# Altium PCB Booster2.PcbDoc
Units mil, origin at the board's own origin, x right, y up, seen from the top; angles counter-clockwise.
Board outline 2325 x 3845 mil, 2 copper layers (Top Layer, Bottom Layer); 62 components, 43 nets, 168 pads, 211 vias.
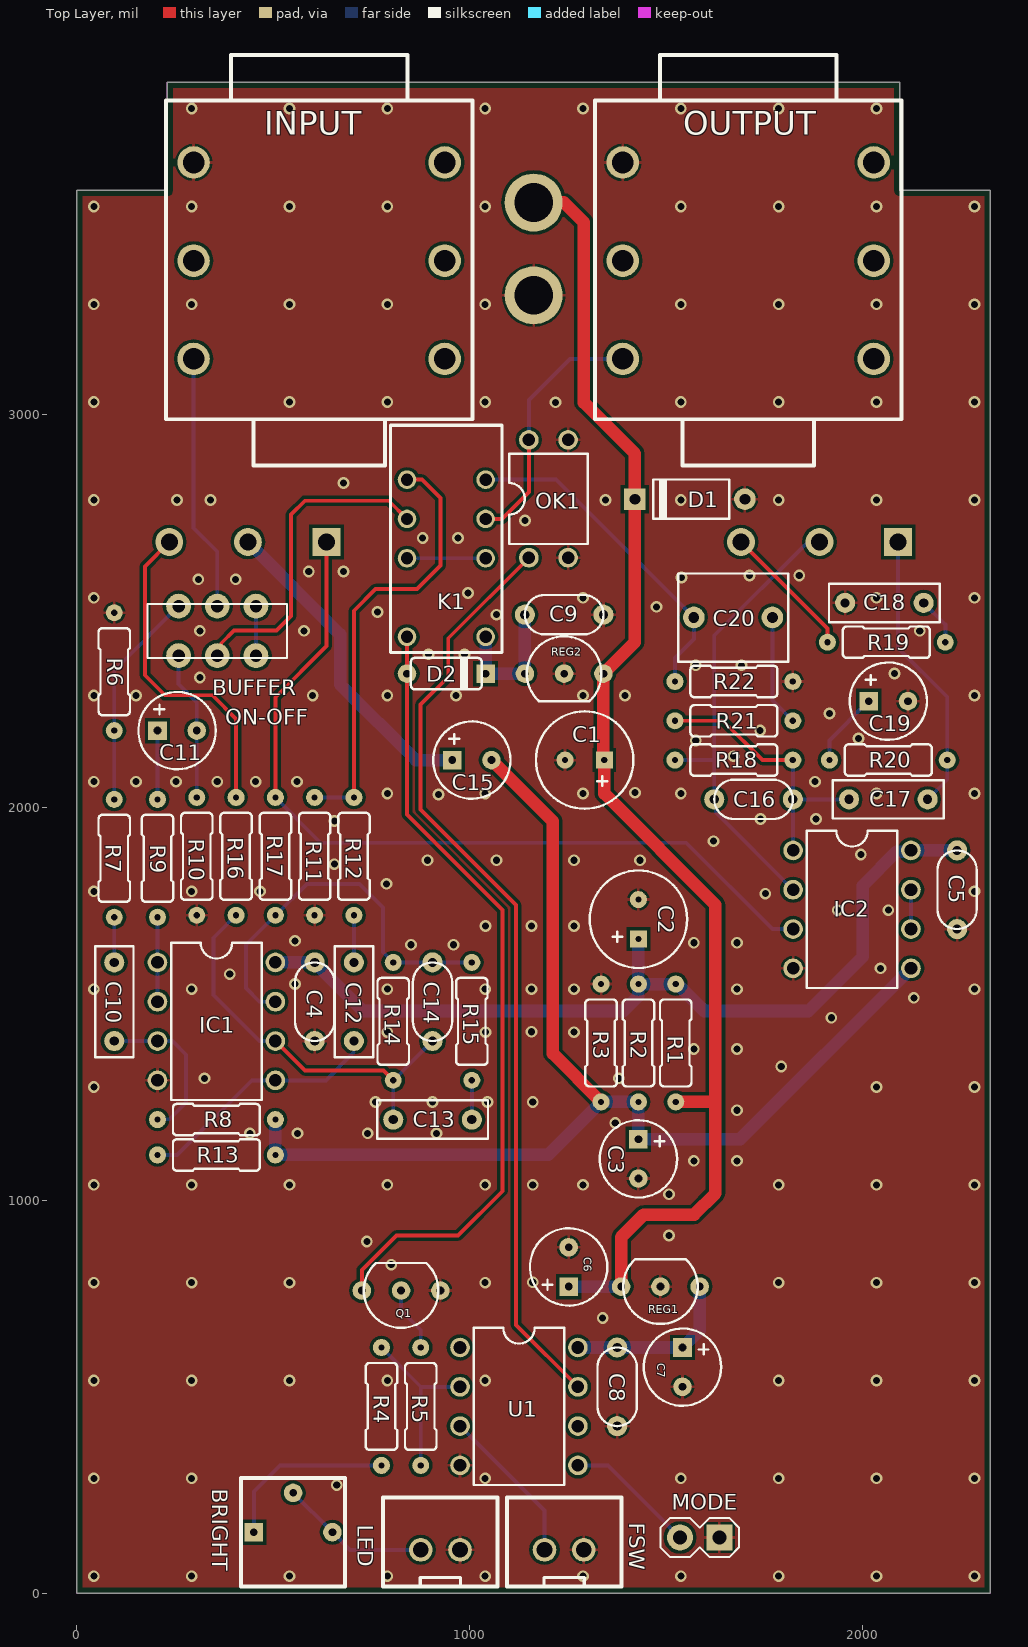
[diagram p0: Top Layer view]
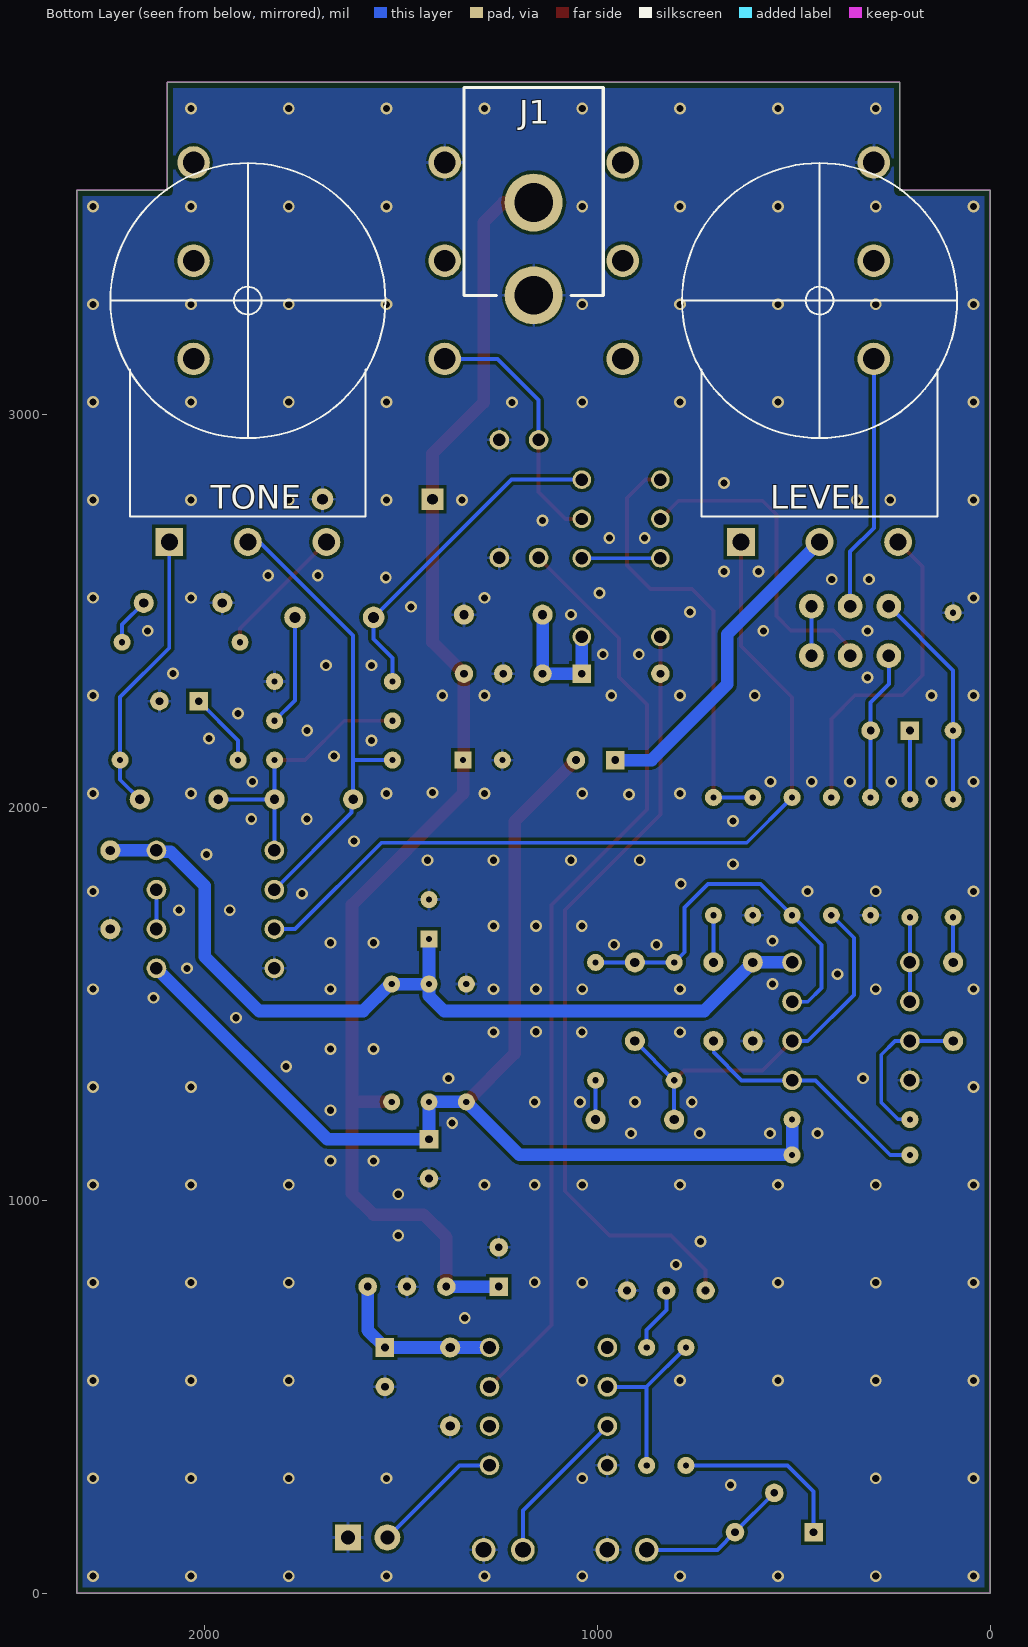
[diagram p1: Bottom Layer view, seen from below]
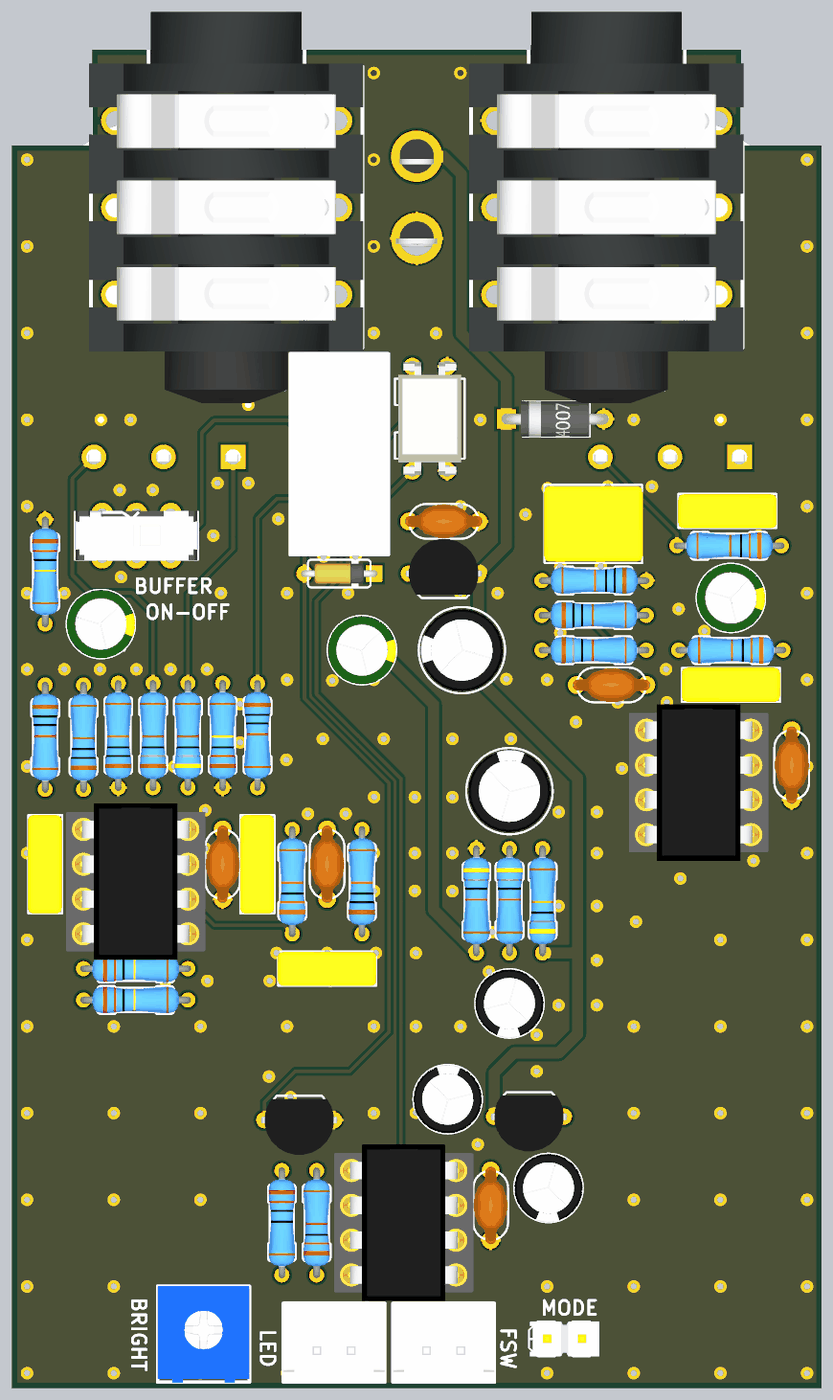
[diagram p2: 3D render of the assembled board from above, using the file's embedded part models]
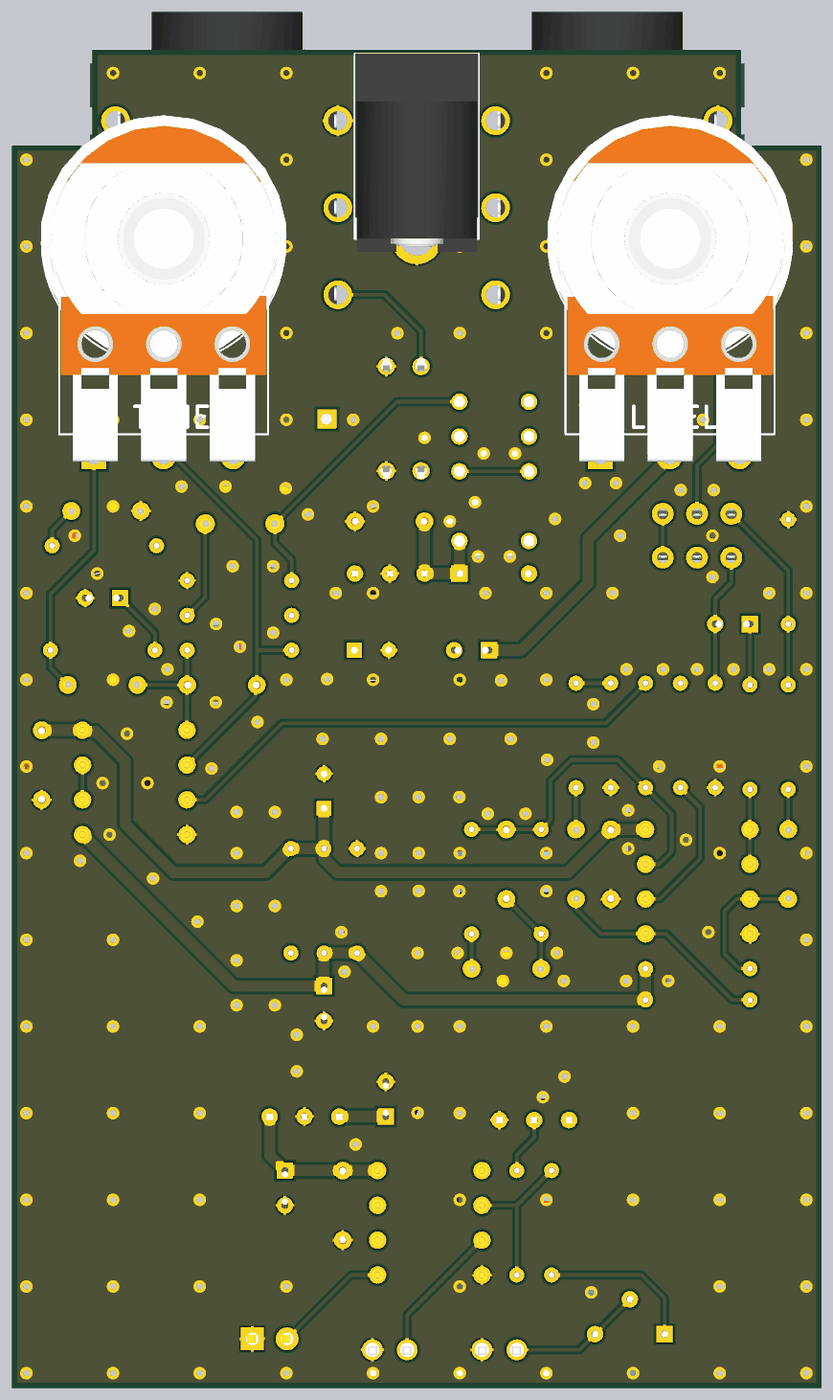
[diagram p3: 3D render of the assembled board from below, using the file's embedded part models]

## Layer stack, top to bottom
Top Solder: solder mask 0.4, Solder Resist, Dk 3.5
Top Layer: signal copper 1.4
Dielectric 1: dielectric 12.6, FR-4, Dk 4.8
Bottom Layer: signal copper 1.4
Bottom Solder: solder mask 0.4, Solder Resist, Dk 3.5

## Board outline
2094.65,3845 2094.65,3570 2325,3570 2325,0 0,0 0,3570 230.3,3570 230.3,3845

## Design rules (kind name [scope] priority, off if disabled: settings)
BoardOutlineClearance BottomOverlay [OnLayer('Bottom Overlay')] p1: gap=0 ignorepadtopadclearanceinfootprint=FALSE
BoardOutlineClearance TopOverlay [OnLayer('Top Overlay')] p2: gap=0 ignorepadtopadclearanceinfootprint=FALSE
BoardOutlineClearance [All] p3: gap=15 ignorepadtopadclearanceinfootprint=FALSE
Clearance [All] p1: gap=8 ignorepadtopadclearanceinfootprint=FALSE except(0: Arc-Text Arc-Hole Track-Text Track-Hole SMDPad-Text SMDPad-Hole THPad-Text THPad-Hole Via-Text Via-Hole Fill-Text Fill-Hole Poly-Text Poly-Hole Region-Text Region-Hole Text-Text Text-Hole)
ComponentClearance [All] p1 off: gap=1 collisioncheckmode=3 verticalgap=1 showdistances=FALSE
DiffPairsRouting [All] p1: maxlimit=393.7 minlimit=6 mostfreqgap=8 toplayer_minwidth=6 toplayer_maxwidth=15 toplayer_prefwidth=8 bottomlayer_minwidth=6 bottomlayer_maxwidth=15 bottomlayer_prefwidth=8 maxuncoupledlength=500
Height [All] p1 off: minheight=0 maxheight=1000 prefheight=500
HoleSize [All] p1: absolutevalues=TRUE maxlimit=265 minlimit=13 maxpercent=80.000 minpercent=20.000
HoleToHoleClearance [All] p1: gap=10 allowstackedmicrovias=FALSE
MinimumAnnularRing [All] p1: minimumring=6
MinimumSolderMaskSliver [All] p1: minsoldermaskwidth=0
PlaneClearance [All] p1: clearance=10
PlaneConnect [All] p1: planeconnectstyle=Direct reliefexpansion=16 reliefentries=4 reliefconductorwidth=6 reliefairgap=6
PolygonConnect Vias [All vs IsVia] p1: connectstyle=Direct reliefconductorwidth=10 reliefentries=4 polygonreliefangle="90 Angle" airgapwidth=10
PolygonConnect [All] p2: connectstyle=Relief reliefconductorwidth=8 reliefentries=4 polygonreliefangle="90 Angle" airgapwidth=6
RoutingCorners [All] p1: cornerstyle=45-Degree minsetback=49.21 maxsetback=49.21
RoutingVias [All] p1: holewidth=15 width=30 viastyle="Through Hole" minholewidth=13 minwidth=27 maxholewidth=100 maxwidth=114
SilkToSilkClearance [All] p1 off: silktosilkclearance=0
SilkToSolderMaskClearance [IsPad] p1 off: minsilkscreentomaskgap=6 clearancetoexposedcopper=TRUE
SolderMaskExpansion [All] p1: expansion=2.95
Width [All] p1: maxlimit=32 minlimit=10 preferedwidth=10
19 further rules are at their usual default settings.

## Components (designator, comment, footprint, x,y, rotation, side; value= is the part's Value field where it differs from the comment)
BRIGHT "10kB" BOURNS_3362P 550,155 r0 top
BUFFER "DPDT" DPDT_SLIDE 180,2380 r0 top
C1 "100u" ELEC_063_025 1292.27,2120 r180 top
C2 "100u" ELEC_063_025 1429,1715 r90 top
C3 "47u" ELEC_050_020 1429,1105 r270 top
C4 "100n" CER_050 605,1505 r270 top
C5 "100n" CER_050 2240,1790 r270 top
C6 "10u" ELEC_050_020 1251.46,830 r90 top
C7 "10u" ELEC_050_020 1541.12,575 r270 top
C8 "100n" CER_050 1375,525 r90 top
C9 "100n" CER_050 1240,2490 r0 top
C10 "100n" FILMBOX_SMALL 95,1505 r90 top
C11 "4.7u" ELEC_LESR_050_020 255,2195 r0 top
C12 "10n" FILMBOX_SMALL 705,1505 r90 top
C13 "22n" FILMBOX_SMALL 905,1205 r180 top
C14 "120p" CER_050 905,1505 r270 top
C15 "10u" ELEC_LESR_050_020 1005,2120 r0 top
C16 "120p" CER_050 1722,2020 r180 top
C17 "100n" FILMBOX_SMALL 2065,2020 r0 top
C18 "22n" FILMBOX_SMALL 2055,2520 r180 top
C19 "10u" ELEC_LESR_050_020 2065,2270 r0 top
C20 "1u" FILMBOX_BIG 1670,2480 r0 top
D1 "D_1N4002" DO41_2 1560,2784 r0 top
D2 "D_1N4148" DO35_2 940,2340 r180 top
FSW "J_JST-XH-02" JST-XH-02 1240,110 r0 top
IC1 "TL072" DIL8 355,1455 r270 top
IC2 "TL072" DIL8 1972.66,1740 r270 top
INPUT "J_STEREO" STEREO 616.41,3391 r90 top
J1 "J_DC_JACK" DC_JACK 1162.5,3722.15 r0 bottom
K1 "K_NA5W-K" NA5 940,2683.66 r90 top
LED "J_JST-XH-02" JST-XH-02 925,110 r0 top
LEVEL "500kB" ALPHA_16mm_BOTTOM 435,2674.37 r180 bottom locked
MODE "J_HEADER_2PINS" HEADER_2PINS 1585,141.45 r0 top
OK1 "OK_TLP222G" DIL4 1200,2785 r0 top
OUTPUT "J_STEREO" STEREO 1708.6,3391 r90 top
Q1 "Q_2N3904" TO92 825,770 r180 top
R1 "47R" R_3_47R_025W 1524,1400 r90 top
R2 "47k" R_3_47k_025W 1429,1400 r270 top
R3 "47k" R_3_47k_025W 1334,1400 r270 top
R4 "220R" R_3_220R_025W 775,475 r270 top
R5 "22k" R_3_22k_025W 875,475 r90 top
R6 "2.2M" R_3_2,2M_025W 95,2345 r270 top
R7 "10k" R_3_10k_025W 95,1870 r270 top
R8 "2.2M" R_3_2,2M_025W 355,1205 r0 top
R9 "1k" R_3_1k_025W 205,1870 r90 top
R10 "100k" R_3_100k_025W 305,1875 r90 top
R11 "2.2M" R_3_2,2M_025W 605,1875 r90 top
R12 "10k" R_3_10k_025W 705,1875 r270 top
R13 "2.2M" R_3_2,2M_025W 355,1115 r0 top
R14 "330k" R_3_330k_025W 805,1455 r90 top
R15 "100k" R_3_100k_025W 1005,1455 r90 top
R16 "18k" R_3_18k_025W 405,1875 r90 top
R17 "47k" R_3_47k_025W 505,1875 r90 top
R18 "18k" R_3_18k_025W 1672,2120 r0 top
R19 "3.3k" R_3_3.3k_025W 2060,2420 r180 top
R20 "3.3k" R_3_3.3k_025W 2065,2120 r180 top
R21 "1k" R_3_1k_025W 1672,2220 r0 top
R22 "100k" R_3_100k_025W 1672,2320 r180 top
REG1 "REG_LM78L05" TO92 1485,780 r180 top
REG2 "REG_LM78L05" TO92 1240,2340 r0 top
TONE "100kB" ALPHA_16mm_BOTTOM 1890,2674.37 r180 bottom locked
U1 "U_ATTINY85" DIP8 1125,475 r270 top

## Footprints (in the part's own frame and the unit in brackets; to place one, negate y for a bottom-side part, rotate by r counter-clockwise, add the part's x,y. Pads: shape width x height; smd on the part's side, far side on the other; paste and mask are expansions set on the pad)
ALPHA_16mm_BOTTOM [mil]
  rect 70.87x70.87 hole 43.31: 1(-200,0.63)
  round 70.87 hole 43.31: 2(0,0.63) 3(200,0.63)
  silkscreen extent -350,66 350,965, body extent -354,-12 445,982, height 1067
BOURNS_3362P [mil]
  rect 47.24x47.24 hole 19.69: 1(-99.75,0)
  round 47.24 hole 19.69: 2(0.25,100) 3(100.25,0)
  silkscreen extent -132,-138 132,138, body extent -132,-139 132,138, height 192
CER_050 [mil]
  round 51.18 hole 23.62: 1(-100,0) 2(100,0)
  silkscreen extent -100,-50 100,50, body extent -117,-49 110,66, height 196
DC_JACK [mil]
  round 147.65 hole 98.43: GND(0,183.15) PWR(0,419.37)
  silkscreen extent -177,-110 177,419, body extent -350,-112 177,458, height 433
DIL4 [mil]
  round 50 hole 32: 1(-50,-150) 2(50,-150) 3(50,150) 4(-50,150)
  silkscreen extent -100,-115 100,115, body extent -90,-173 90,173, height 174
DIL8 [mil]
  round 50 hole 32: 1(-150,-150) 2(-50,-150) 3(50,-150) 4(150,-150) 5(150,150) 6(50,150) 7(-50,150) 8(-150,150)
  silkscreen extent -200,-115 200,115, body extent -225,-200 225,200, height 335
DIP8 [mil]
  round 50 hole 32: 1(-150,-150) 2(-50,-150) 3(50,-150) 4(150,-150) 5(150,150) 6(50,150) 7(-50,150) 8(-150,150)
  silkscreen extent -200,-115 200,115, body extent -225,-200 225,200, height 335
DO35_2 [mil]
  round 47.24 hole 19.69: A(100,0)
  rect 47.24x47.24 hole 19.69: C(-100,0)
  silkscreen extent -90,-40 90,40, body extent -108,-30 108,30, height 60
DO41_2 [mil]
  round 55.12 hole 27.56: A(140,0)
  rect 55.12x55.12 hole 27.56: C(-140,0)
  silkscreen extent -94,-50 100,50, body extent -154,-52 154,52, height 112
DPDT_SLIDE [mm]
  round 1.6 hole 0.8: A1(2,3.35) A2(4.5,3.35) A3(7,3.35) B1(2,0.15) B2(4.5,0.15) B3(7,0.15)
  silkscreen extent 0,0 9,3.5, body extent 0,-0.05 9,3.55, height 5.5
ELEC_050_020 [mil]
  rect 47.24x47.24 hole 19.69: +(-50,0)
  round 47.24 hole 19.69: -(50,0)
  silkscreen extent -98,-98 98,98, body extent -98,-98 98,98, height 277
ELEC_063_025 [mil]
  rect 43.31x43.31 hole 15.75: +(-50,0)
  round 43.31 hole 15.75: -(50,0)
  silkscreen extent -124,-124 124,124, body extent -118,-118 118,118, height 314
ELEC_LESR_050_020 [mil]
  rect 47.24x47.24 hole 19.69: +(-50,0)
  round 47.24 hole 19.69: -(50,0)
  silkscreen extent -98,-98 98,98, body extent -98,-98 98,100, height 434
FILMBOX_BIG [mil]
  round 55.12 hole 27.56: 1(-100,3) 2(100,3)
  silkscreen extent -140,-110 140,115, body extent -142,-105 142,111, height 453
FILMBOX_SMALL [mil]
  round 51.18 hole 23.62: 1(-100,0) 2(100,0)
  silkscreen extent -141,-49 141,49, body extent -142,-48 142,50, height 256
HEADER_2PINS [mil]
  rect 66x66 hole 35.43: 1(50,0)
  round 66 hole 35.43: 2(-50,0)
  silkscreen extent -100,-50 100,50, body extent -102,-50 102,50, height 330
JST-XH-02 [mil]
  round 60 hole 40: 1(-50,0) 2(50,0)
  silkscreen extent -146,-93 146,134, body extent -146,-95 146,131, height 276
NA5 [mil]
  round 47.25 hole 31.5: 1(-250,-100) 3(-50,-100) 4(50,-100) 5(150,-100) 8(150,100) 9(50,100) 10(-50,100) 12(-250,100)
  silkscreen extent -290,-142 289,142, body extent -291,-144 291,144, height 362
R_3_1k_025W [mil]
  round 43.31 hole 15.75: 1(-150,0) 2(150,0)
  silkscreen extent -111,-40 111,40, body extent -160,-38 160,38, height 83
R_3_2,2M_025W [mil]
  round 43.31 hole 15.75: 1(-150,0) 2(150,0)
  silkscreen extent -111,-40 111,40, body extent -160,-38 160,38, height 83
R_3_3.3k_025W [mil]
  round 43.31 hole 15.75: 1(-150,0) 2(150,0)
  silkscreen extent -111,-40 111,40, body extent -160,-38 160,38, height 83
R_3_10k_025W [mil]
  round 43.31 hole 15.75: 1(-150,0) 2(150,0)
  silkscreen extent -111,-40 111,40, body extent -160,-38 160,38, height 83
R_3_18k_025W [mil]
  round 43.31 hole 15.75: 1(-150,0) 2(150,0)
  silkscreen extent -111,-40 111,40, body extent -160,-38 160,38, height 83
R_3_22k_025W [mil]
  round 43.31 hole 15.75: 1(-150,0) 2(150,0)
  silkscreen extent -111,-40 111,40, body extent -160,-38 160,38, height 83
R_3_47k_025W [mil]
  round 43.31 hole 15.75: 1(-150,0) 2(150,0)
  silkscreen extent -111,-40 111,40, body extent -160,-38 160,38, height 83
R_3_47R_025W [mil]
  round 43.31 hole 15.75: 1(-150,0) 2(150,0)
  silkscreen extent -111,-40 111,40, body extent -160,-38 160,38, height 83
R_3_100k_025W [mil]
  round 43.31 hole 15.75: 1(-150,0) 2(150,0)
  silkscreen extent -111,-40 111,40, body extent -160,-38 160,38, height 83
R_3_220R_025W [mil]
  round 43.31 hole 15.75: 1(-150,0) 2(150,0)
  silkscreen extent -111,-40 111,40, body extent -160,-38 160,38, height 83
R_3_330k_025W [mil]
  round 43.31 hole 15.75: 1(-150,0) 2(150,0)
  silkscreen extent -111,-40 111,40, body extent -160,-38 160,38, height 83
STEREO [mil]
  round 82.68 hole 55.12: R(0,319.49) RN(0,-319.49) S(250,319.49) SN(250,-319.49) T(-250,319.49) TN(-250,-319.49)
  silkscreen extent -522,-390 524,390, body extent -562,-392 562,395, height 610
TO92 [mil]
  round 47.24 hole 19.69: 1(100,0) 2(0,0) 3(-100,0)
  silkscreen extent -95,-70 95,95, body extent -109,-61 109,100, height 255

## Part data
BRIGHT: library part TRIM_10kB_3362P, "10k Lin 3362P trimmer", Price=0.1
BUFFER: library part SW_SLIDE_DPDT_ON-ON, "DPDT slide switch ON/ON", Price=0.5
C1 C2: library part C_ELEC_100u_25V, "100u 25V electrolytic capacitor", Package=Radial, Dimensions=6.3x8mm, PinSpacing=2.54mm, Price=0.02
C3: library part C_ELEC_47u_25V, "47u 25V electrolytic capacitor", Package=Radial, Dimensions=5x8mm, PinSpacing=2mm, Price=0.02
C4 C5 C8 C9: library part C_CER_100n, "100n MLCC X7R radial capacitor", Package=Radial, PinSpacing=5.08mm, Price=0.02
C6 C7: library part C_ELEC_10u_50V, "10u 50V electrolytic capacitor", Package=Radial, Dimensions=4x8mm, PinSpacing=2mm, Price=0.02
C10 C17: library part C_FILMBOX_100n, "100n 100V polyester film box capacitor", Package=Radial, Dimensions=7.2x2.5x6.5mm, PinSpacing=5.08mm, Price=0.05
C11: library part C_ELEC_LESR_4.7u_50V, "4.7u 50V Low ESR ectrolytic capacitor", Package=Radial, Dimensions=5x11mm, PinSpacing=2mm, Price=0.05
C12: library part C_FILMBOX_10n, "10n 100V polyester film box capacitor", Package=Radial, Dimensions=7.2x2.5x6.5mm, PinSpacing=5.08mm, Price=0.05
C13 C18: library part C_FILMBOX_22n, "22n 100V polyester film box capacitor", Package=Radial, Dimensions=7.2x2.5x6.5mm, PinSpacing=5.08mm, Price=0.05
C14 C16: library part C_CER_120p, "120p MLCC X7R radial capacitor", Package=Radial, PinSpacing=5.08mm, Price=0.01
C15 C19: library part C_ELEC_LESR_10u_50V, "10u 50V Low ESR ectrolytic capacitor", Package=Radial, Dimensions=5x11mm, PinSpacing=2mm, Price=0.05
C20: library part C_FILMBOX_1u, "1u 100V polyester film box capacitor", Package=Radial, Dimensions=7.2x6x11mm, PinSpacing=5.08mm, Price=0.1
D1: "1N4002", Package=DO-41, PinSpacing=7.62mm, Price=0.01
D2: "1N4148", Package=DO-35, PinSpacing=5.08mm, Price=0.01
FSW LED: "2 Pins male XH header", Price=0.1
IC1 IC2: library part IC_TL072, Package=DIP-8, Price=0.1
INPUT OUTPUT: "6.35mm stereo insulated socket jack PCB mounted", Price=0.5
J1: "DC Power jack 2.1mm barrel", Price=0.05
K1: "NA5W-K", Price=1.1
LEVEL: library part POT_500kB_ALPHA_16mm, "500k Lin potentiometer round shaft", Package="PCB Mounted", Dimensions=16mm, Price=0.5
MODE: "2 Pins male header", Pin spacing=2.54mm, Price=0.01
OK1: "TLP222G", Price=0.36
Q1: "2N3904", Package=TO-92, Price=0.01
R1: library part R_3_47R_025W, "47R metal film 1/4W Resistor", PinSpacing=7.62mm, Price=0.01
R2 R3 R17: library part R_3_47k_025W, "47k metal film 1/4W Resistor", PinSpacing=7.62mm, Price=0.01
R4: library part R_3_220R_025W, "220R metal film 1/4W Resistor", PinSpacing=7.62mm, Price=0.01
R5: library part R_3_22k_025W, "22k metal film 1/4W Resistor", PinSpacing=7.62mm, Price=0.01
R6 R8 R11 R13: library part R_3_2.2M_025W, "2.2M metal film 1/4W Resistor", PinSpacing=7.62mm, Price=0.01
R7 R12: library part R_3_10k_025W, "10k metal film 1/4W Resistor", PinSpacing=7.62mm, Price=0.01
R9 R21: library part R_3_1k_025W, "1k metal film 1/4W Resistor", PinSpacing=7.62mm, Price=0.01
R10 R15 R22: library part R_3_100k_025W, "100k metal film 1/4W Resistor", PinSpacing=7.62mm, Price=0.01
R14: library part R_3_330k_025W, "330k metal film 1/4W Resistor", PinSpacing=7.62mm, Price=0.01
R16 R18: library part R_3_18k_025W, "18k metal film 1/4W Resistor", PinSpacing=7.62mm, Price=0.01
R19 R20: library part R_3_3.3k_025W, "3.3k metal film 1/4W Resistor", PinSpacing=7.62mm, Price=0.01
REG1 REG2: "78L05", Package=TO-92, Price=0.01
TONE: library part POT_100kB_ALPHA_16mm, "100k Lin potentiometer round shaft", Package="PCB Mounted", Dimensions=16mm, Price=0.5
U1: "ATTINY85-20PU", Package=DIP-8, Price=1.2

## Via types
v1: diameter 30, hole 18, Top Layer to Bottom Layer, 211 vias

## Nets (pads, with @x,y where several pads share a name; then routed paths per layer and width w, separated by ;. In a path a pad name is that pad's centre, name@x,y a point inside that pad or via, vN(x,y) a via of type N, cw(c..) or ccw(c..) an arc to the next point about the centre after c; other vN are vias at no path point)
+5V: C7.+ C8.2 REG1.3 U1.8 | length 439.3
  Bottom Layer w32: U1.8 C8.2 C7.+ 1585,668.87 REG1.3
+9V: C1.+ C6.+ D1.C J1.GND R1.1 REG1.1 REG2.1 | length 3472.5
  Top Layer w32: J1.GND 1239.36,3539 1290,3488.36 1290,3030 1420,2900 D1.C 1420,2420 REG2.1 1340,2122.27 C1.+ 1342.27,2034.48 1625,1751.74 1625,1250 ; REG1.1 1385,905.53 1442.61,963.14 1570.66,963.14 1625,1017.48 1625,1250 ; R1.1 1625,1250
  Bottom Layer w32: C6.+ REG1.1 REG1.1@1383.8,781.2
BUFFEROUT: BUFFER.B2 K1.9 | length 829.3
  Top Layer w10: BUFFER.B2 367.3,2396.04 367.3,2417.3 399.61,2449.61 508.38,2449.61 545,2486.23 545,2745 580,2780 793.66,2780 K1.9
GND: C1.- C2.- C3.- C4.2 C5.2 C6.- C7.- C8.1 C9.2 C18.2 C19.- D1.A FSW.2 IC1.4 IC2.4 INPUT.S J1.PWR LED.2 MODE.1 OK1.2 OK1.3 OUTPUT.S Q1.3 R3.1 R6.1 R10.1 R11.1 R22.1 REG1.2 REG2.2 U1.4
  other v1: 43,43 292,43 541,43 790,43 1039,43 1288,43 1537,43 1786,43 2035,43 2284,43 661.19,275 43,292 292,292 1039,292 1537,292 1786,292 2035,292 2284,292 43,541 292,541 541,541 790,541 1039,541 1786,541 2035,541 2284,541 1338,700 43,790 292,790 541,790 1039,790 1786,790 2035,790 2284,790 1160,791.12 800,835.84 737.73,895 1507.18,910 1507.18,1015 43,1039 292,1039 541,1039 790,1039 1039,1039 1160,1039 1288,1039 1786,1039 2035,1039 2284,1039 1570,1100 1680,1100 439.93,1170 561.19,1170 740,1170 915,1170 1370,1196.23 1680,1228.85 760,1250 905,1250 1045,1250 1160,1250 43,1288 2035,1288 2284,1288 324.72,1310 1379,1310 1792.43,1340 1570,1385 1680,1385 790,1427.53 1040,1427.53 1265,1427.53 1156.94,1428.54 1920,1464.16 2129.94,1515 43,1537 292,1537 790,1537 1039,1537 1156.94,1537 1265,1537 1680,1537 2284,1537 555,1550 389,1575.09 2045,1590 850,1650 958.36,1650 1570,1655 1680,1655 555,1660 1040,1698.06 1156.94,1698.06 1265,1697.63 1936.15,1738.06 2065,1738.06 1752.07,1780 43,1786 292,1786 465.9,1786 2284,1786 788.06,1805 655,1855 892.55,1865 1067.62,1865 1265,1865 1433,1865 1995,1880 1620,1913.54 655,1965 1740,1970 1881.11,1970 920,2032.74 790,2035 1039,2035 1288,2035 1537,2035 2035,2035 2284,2035 1420,2036.94 43,2065 150,2065 252.43,2065 357.17,2065 455,2065 560,2065 1878.66,2065 1670.68,2130 1575,2170 1988.96,2175 1738.94,2195 1915,2238.38 43,2284 150,2284 600,2284 790,2284 965,2284 1288,2284 1395,2284 2284,2284 312.74,2330 2080.63,2340 1575,2361.12 1691.24,2361.12 895,2389.11 986.62,2389.11 312.74,2448.89 578.06,2448.89 2145,2448.89 1067.62,2490 765,2496.96 1475,2510 43,2533 1288,2533 2035,2533 2284,2533 995,2545 309,2580 404.02,2580 1538.94,2585 1711.9,2590 1838.29,2590 590.04,2600 678.43,2600 880,2685 970,2685 1140,2730 43,2782 255,2782 340,2782 1345,2782 1537,2782 1786,2782 2035,2782 2284,2782 678.39,2825 43,3031 541,3031 790,3031 1039,3031 1218,3030.51 1537,3031 1786,3031 2035,3031 2284,3031 43,3280 292,3280 541,3280 790,3280 1039,3280 1537,3280 1786,3280 2035,3280 2284,3280 43,3529 292,3529 541,3529 790,3529 1039,3529 1537,3529 1786,3529 2035,3529 2284,3529 292,3778 541,3778 790,3778 1039,3778 1288,3778 1537,3778 1786,3778 2035,3778
INPUT: BUFFER.A2 INPUT.T | length 654.1
  Bottom Layer w10: INPUT.T 296.92,2711.17 357.17,2650.93 BUFFER.A2
NetBRIGHT_1: BRIGHT.1 R4.2 | length 455.9
  Bottom Layer w10: BRIGHT.1 450.24,258.6 516.64,325 R4.2
NetBRIGHT_2: BRIGHT.2 BRIGHT.3 LED.1 | length 384.8
  Bottom Layer w10: BRIGHT.2 BRIGHT.3 695.24,110 LED.1
NetBUFFER_A1: BUFFER.A1 R6.2 R7.1 | length 559.7
  Bottom Layer w10: R7.1 R6.2 95,2348.15 BUFFER.A1
NetBUFFER_A3: BUFFER.A3 BUFFER.B3 | length 126
  Bottom Layer w10: BUFFER.B3 BUFFER.A3
NetBUFFER_B1: BUFFER.B1 C11.- R10.2 | length 380.1
  Bottom Layer w10: BUFFER.B1 258.74,2313.18 305,2266.92 C11.- R10.2
NetC9_1: C9.1 D2.C K1.1 REG2.3 | length 343.7
  Bottom Layer w32: K1.1 D2.C REG2.3 C9.1
NetC10_1: C10.1 IC1.3 R8.1 | length 410.3
  Bottom Layer w10: C10.1 IC1.3 243.06,1405 278.06,1370 278.06,1248.15 235.8,1205.89 205.89,1205.89 R8.1
NetC10_2: C10.2 R7.2 | length 115
  Bottom Layer w10: C10.2 R7.2
NetC11_+: C11.+ R9.2 | length 175
  Bottom Layer w10: R9.2 C11.+
NetC12_1: C12.1 IC1.5 R13.1 | length 608.2
  Bottom Layer w10: R13.1 255,1115 445,1305 IC1.5 633.88,1305 704.15,1375.27 ; C12.1@704.15,1409.15 C12.1@705,1410
NetC12_2: C12.2 R12.2 | length 120
  Bottom Layer w10: C12.2 R12.2
NetC13_1: C13.1 R15.1 | length 100
  Bottom Layer w10: C13.1 R15.1
NetC13_2: C13.2 C14.2 IC1.6 R14.1 R16.1 | length 1015.1
  Top Layer w10: IC1.6 580,1330 780,1330 R14.1
  Bottom Layer w10: R16.1 347.75,1667.75 347.75,1522.24 465,1405 IC1.6 ; C13.2 R14.1 C14.2
NetC14_1: C14.1 IC1.7 R14.2 R15.2 R17.1 | length 988.4
  Bottom Layer w10: IC1.7 465.07,1505 430,1540.07 430,1650 R17.1 585,1805 719.19,1805 779.1,1745.1 779.1,1630.9 R14.2 C14.1 R15.2
NetC15_+: C15.+ LEVEL.2 | length 824.5
  Bottom Layer w32: LEVEL.2 670,2440 670,2312.55 862.55,2120 C15.+
NetC16_1: C16.1 C17.1 IC2.1 R18.2 R21.1 | length 714.7
  Top Layer w10: R21.1 1644.64,2220 1744.64,2120 R18.2
  Bottom Layer w10: R18.2 C16.1 ; IC2.1 1822.66,2019.34 C16.1 ; C17.1 C16.1
NetC16_2: C16.2 IC2.2 R18.1 TONE.2 | length 1196.7
  Bottom Layer w10: R18.1 1622,2120 ; IC2.2 1626.03,1986.63 1626.03,2015.97 C16.2 1622,2120 ; TONE.2 1889.23,2674.23 1859.23,2674.23 1622,2437 1622,2120
NetC17_2: C17.2 R20.1 TONE.1 | length 727.5
  Bottom Layer w10: TONE.1 2090,2405.28 2215,2280.28 R20.1 2215,2070 C17.2
NetC18_1: C18.1 R19.1 | length 122.8
  Bottom Layer w10: C18.1 2210,2465 R19.1
NetC19_+: C19.+ R20.2 | length 191.4
  Bottom Layer w10: R20.2 1915,2170 C19.+
NetC20_2: C20.2 R21.2 | length 284.5
  Bottom Layer w10: C20.2 1770,2272 R21.2
NetD2_A: D2.A K1.12 Q1.1 | length 2004.2
  Top Layer w10: Q1.1 725,821.89 813.11,910 970,910 1082.62,1022.62 1082.62,1738.54 840,1981.16 D2.A K1.12
NetIC1_1: IC1.1 IC1.2 R9.1 | length 215
  Bottom Layer w10: IC1.2 IC1.1 R9.1
NetIC2_3: IC2.3 LEVEL.1 R17.2 | length 2160.3
  Top Layer w10: R17.2 505,2279.95 635,2409.95 LEVEL.1
  Bottom Layer w10: R17.2 620.37,1909.63 1550.37,1909.63 1770,1690 IC2.3
NetIC2_6: IC2.6 IC2.7 | length 100
  Bottom Layer w10: IC2.6 IC2.7
NetK1_3: K1.3 K1.10 | length 200
  Bottom Layer w10: K1.10 K1.3
NetLEVEL_3: LEVEL.3 R16.2 | length 842.9
  Top Layer w10: LEVEL.3 172.85,2612.85 172.85,2335.81 223.66,2285 344.91,2285 405,2224.91 R16.2
NetQ1_2: Q1.2 R5.2 | length 165.7
  Bottom Layer w10: Q1.2 825,720 875,670 R5.2
NetR19_2: R19.2 TONE.3 | length 346.1
  Top Layer w10: TONE.3 1910,2455 R19.2
OUTPUT: K1.4 OK1.4 OUTPUT.T | length 655
  Top Layer w10: K1.4 1081.9,2733.66 1150,2801.76 OK1.4
  Bottom Layer w10: OK1.4 1150,3036 1255,3141 OUTPUT.T
PB0: MODE.2 U1.5 | length 336
  Bottom Layer w10: U1.5 1351.45,325 MODE.2
PB2: OK1.1 U1.7 | length 2390.1
  Top Layer w10: OK1.1 945,2430 945,2331.87 874.37,2261.25 874.37,1993.98 1117.45,1750.91 1117.45,682.55 U1.7
PB3: R4.1 R5.1 U1.2 | length 441.4
  Bottom Layer w10: R4.1 875,525 ; R5.1 875,525 ; U1.2 875,525
PB4: FSW.1 U1.3 | length 404.1
  Bottom Layer w10: U1.3 1190,210 FSW.1
RETURN: C20.1 K1.5 R22.2 | length 858.1
  Bottom Layer w10: K1.5 1219.34,2833.66 C20.1 1570,2427.74 1522,2379.74 R22.2
SEND: K1.8 R11.2 R12.1 | length 1120
  Top Layer w10: R12.1 705,2500 760,2555 865,2555 925,2615 925,2786.69 878.03,2833.66 K1.8 K1.8@839.13,2832.79
  Bottom Layer w10: R11.2 R12.1
Vb: C3.+ C15.- IC2.5 R2.2 R3.2 R8.2 R13.2 | length 3024.3
  Top Layer w32: C15.- 1211.14,1963.86 1211.14,1372.86 R3.2
  Bottom Layer w32: R8.2 R13.2 1199,1115 R3.2 R2.2 C3.+ 1687.66,1155 IC2.5
Vr: C2.+ C4.1 C5.1 IC1.8 IC2.8 R1.2 R2.1 | length 2250.5
  Bottom Layer w32: IC1.8 C4.1 728.54,1481.46 1390.37,1481.46 1429,1520.09 R2.1 ; C2.+ R2.1 ; C5.1 IC2.8 2119.68,1887.02 2086.4,1887.02 2000,1800.62 2000,1620 1861.46,1481.46 1596.58,1481.46 1533.7,1544.34 1532.72,1544.34 1527.06,1550 R1.2 R2.1
pads on no net: INPUT.R INPUT.RN INPUT.SN INPUT.TN OUTPUT.R OUTPUT.RN OUTPUT.SN OUTPUT.TN U1.1 U1.6

## Polygon pours and split planes (outlines as drawn)
GND on Top Layer "GND_L01_P010" (solid, pour order 10): 0,0 2325,0 2325,3570 2094.65,3570 2094.65,3845 230.3,3845 230.3,3570 0,3570
GND on Bottom Layer "GND_L02_P008" (solid, pour order 8): 0,0 2325,0 2325,3565 2330,3570 2094.65,3570 2094.65,3845 230.3,3845 230.3,3570 0,3570

## Keep-outs
Keep-Out Layer:
  lines w1: 586.25,0 0,0 0,3570 230.3,3570 230.3,3845 2094.7,3845 2094.7,3570 2325,3570 2325,0 1748.75,0 ; 587.25,0 1749.75,0

## Silkscreen, mask and mechanical layers (free items; w line width, h text height)
Top Overlay:
  text "ON-OFF" at 377.08,2210 h40
Mechanical 3:
  lines w1: 0,0 0,3570 230.3,3570 230.3,3845 2094.7,3845 2094.7,3570 2325,3570 2325,0 0,0
  lines w10: 2325,3570 2325,3570